# KiCad board rabbit_mask_capacitors.kicad_pcb (continued)
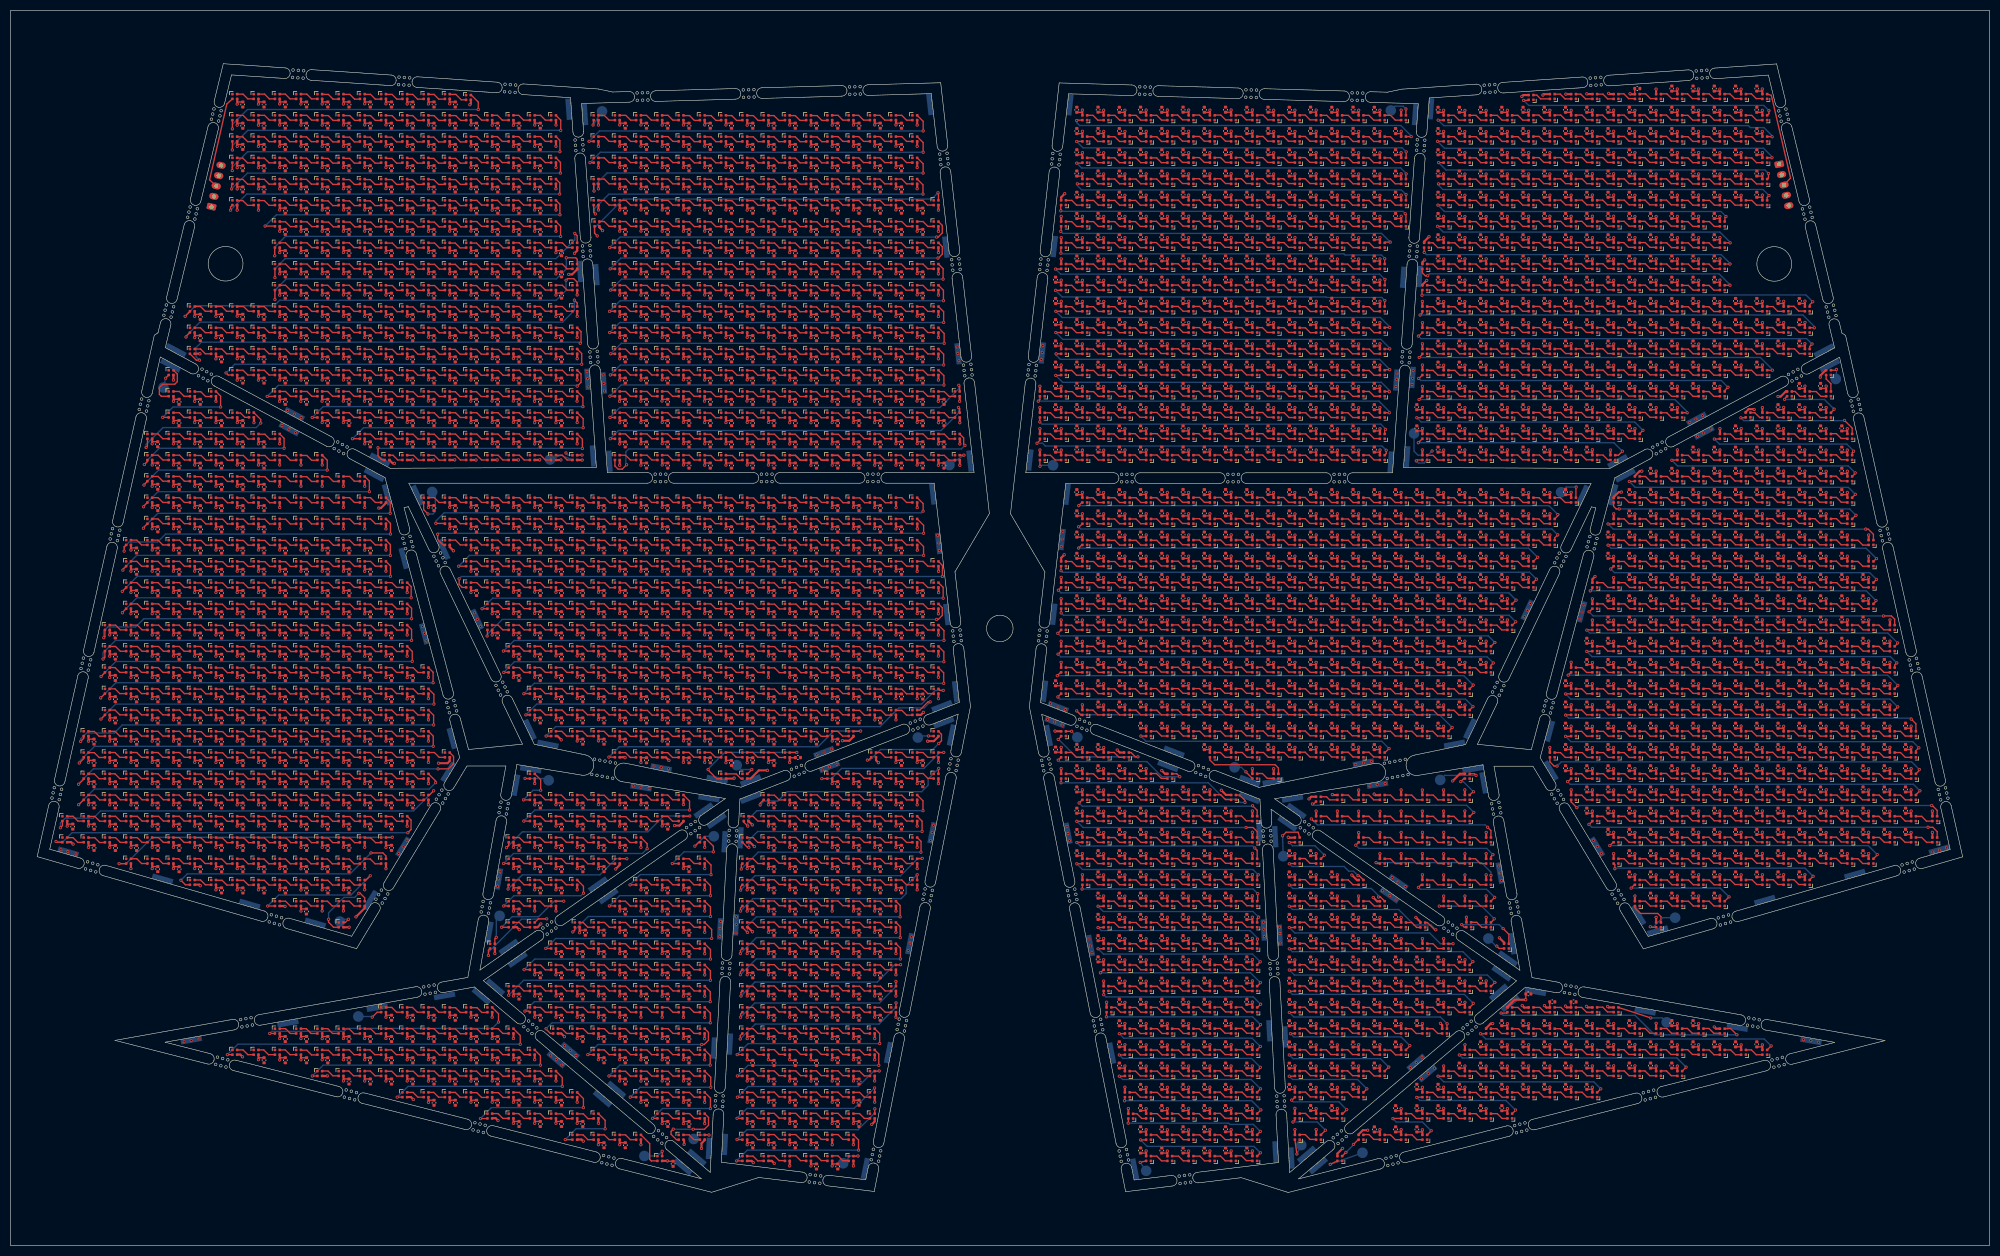
[diagram p0: board, top side]
## Placement (name value [footprint] x y rotation side) (continued)
C1485#2507  0.1uF  [C_0402_1005Metric]  39.7 170.86 270 top
C1485#2508  0.1uF  [C_0402_1005Metric]  240.7 173.88 90 top
C1485#2509  0.1uF  [C_0402_1005Metric]  264.7 157.86 90 top
C1485#2510  0.1uF  [C_0402_1005Metric]  59.7 38.86 270 top
C1485#2511  0.1uF  [C_0402_1005Metric]  272.7 197.86 90 top
C1485#2512  0.1uF  [C_0402_1005Metric]  135.7 166.86 270 top
C1485#2513  0.1uF  [C_0402_1005Metric]  163.7 150.84 270 top
C1485#2514  0.1uF  [C_0402_1005Metric]  87.7 162.86 270 top
C1485#2515  0.1uF  [C_0402_1005Metric]  276.7 129.86 90 top
C1485#2516  0.1uF  [C_0402_1005Metric]  220.7 193.88 90 top
C1485#2517  0.1uF  [C_0402_1005Metric]  212.7 117.86 90 top
C1485#2518  0.1uF  [C_0402_1005Metric]  91.7 134.86 270 top
C1485#2519  0.1uF  [C_0402_1005Metric]  248.7 45.84 90 top
C1485#2520  0.1uF  [C_0402_1005Metric]  304.7 101.86 90 top
C1485#2521  0.1uF  [C_0402_1005Metric]  300.7 85.86 90 top
C1485#2522  0.1uF  [C_0402_1005Metric]  63.7 90.86 270 top
C1485#2523  0.1uF  [C_0402_1005Metric]  147.7 30.86 270 top
C1485#2524  0.1uF  [C_0402_1005Metric]  131.7 138.86 270 top
C1485#2525  0.1uF  [C_0402_1005Metric]  204.7 133.86 90 top
C1485#2526  0.1uF  [C_0402_1005Metric]  328.7 201.86 90 top
C1485#2527  0.1uF  [C_0402_1005Metric]  204.7 53.86 90 top
C1485#2528  0.1uF  [C_0402_1005Metric]  248.7 153.88 90 top
C1485#2529  0.1uF  [C_0402_1005Metric]  260.7 209.86 90 top
C1485#2530  0.1uF  [C_0402_1005Metric]  143.7 26.86 270 top
C1485#2531  0.1uF  [C_0402_1005Metric]  212.7 37.86 90 top
C1485#2532  0.1uF  [C_0402_1005Metric]  127.7 118.86 270 top
C1485#2533  0.1uF  [C_0402_1005Metric]  35.72 142.84 270 top
C1485#2534  0.1uF  [C_0402_1005Metric]  67.72 118.84 270 top
C1485#2535  0.1uF  [C_0402_1005Metric]  39.7 90.86 270 top
C1485#2536  0.1uF  [C_0402_1005Metric]  224.7 125.86 90 top
C1485#2537  0.1uF  [C_0402_1005Metric]  232.7 61.86 90 top
C1485#2538  0.1uF  [C_0402_1005Metric]  232.7 193.86 90 top
C1485#2539  0.1uF  [C_0402_1005Metric]  332.7 157.86 90 top
C1485#2540  0.1uF  [C_0402_1005Metric]  260.7 97.86 90 top
C1485#2541  0.1uF  [C_0402_1005Metric]  127.7 162.86 270 top
C1485#2542  0.1uF  [C_0402_1005Metric]  212.71 73.86 90 top
C1485#2543  0.1uF  [C_0402_1005Metric]  308.7 173.86 90 top
C1485#2544  0.1uF  [C_0402_1005Metric]  43.72 78.84 270 top
C1485#2545  0.1uF  [C_0402_1005Metric]  276.7 29.86 90 top
C1485#2546  0.1uF  [C_0402_1005Metric]  216.7 97.86 90 top
C1485#2547  0.1uF  [C_0402_1005Metric]  208.7 161.88 90 top
C1485#2548  0.1uF  [C_0402_1005Metric]  43.72 74.84 270 top
C1485#2549  0.1uF  [C_0402_1005Metric]  159.7 186.86 270 top
C1485#2550  0.1uF  [C_0402_1005Metric]  252.7 97.86 90 top
C1485#2551  0.1uF  [C_0402_1005Metric]  356.7 89.86 90 top
C1485#2552  0.1uF  [C_0402_1005Metric]  99.7 110.86 270 top
C1485#2553  0.1uF  [C_0402_1005Metric]  91.7 26.86 270 top
C1485#2554  0.1uF  [C_0402_1005Metric]  228.7 81.86 90 top
C1485#2555  0.1uF  [C_0402_1005Metric]  159.7 202.86 270 top
C1485#2556  0.1uF  [C_0402_1005Metric]  103.72 74.84 270 top
C1485#2557  0.1uF  [C_0402_1005Metric]  280.7 161.86 90 top
C1485#2558  0.1uF  [C_0402_1005Metric]  39.7 150.86 270 top
C1485#2559  0.1uF  [C_0402_1005Metric]  236.7 97.86 90 top
C1485#2560  0.1uF  [C_0402_1005Metric]  95.7 106.86 270 top
C1485#2561  0.1uF  [C_0402_1005Metric]  332.7 77.86 90 top
C1485#2562  0.1uF  [C_0402_1005Metric]  163.7 206.86 270 top
C1485#2563  0.1uF  [C_0402_1005Metric]  304.7 173.86 90 top
C1485#2564  0.1uF  [C_0402_1005Metric]  232.7 137.86 90 top
C1485#2565  0.1uF  [C_0402_1005Metric]  155.7 114.86 270 top
C1485#2566  0.1uF  [C_0402_1005Metric]  276.7 149.86 90 top
C1485#2567  0.1uF  [C_0402_1005Metric]  119.7 130.86 270 top
C1485#2568  0.1uF  [C_0402_1005Metric]  224.7 185.86 90 top
C1485#2569  0.1uF  [C_0402_1005Metric]  240.7 205.86 90 top
C1485#2570  0.1uF  [C_0402_1005Metric]  328.7 97.86 90 top
C1485#2571  0.1uF  [C_0402_1005Metric]  252.7 93.84 90 top
C1485#2572  0.1uF  [C_0402_1005Metric]  35.72 122.84 270 top
C1485#2573  0.1uF  [C_0402_1005Metric]  155.7 174.86 270 top
C1485#2574  0.1uF  [C_0402_1005Metric]  87.7 198.86 270 top
C1485#2575  0.1uF  [C_0402_1005Metric]  63.7 154.86 270 top
C1485#2576  0.1uF  [C_0402_1005Metric]  35.7 78.86 270 top
C1485#2577  0.1uF  [C_0402_1005Metric]  151.7 178.86 270 top
C1485#2578  0.1uF  [C_0402_1005Metric]  332.7 177.86 90 top
C1485#2579  0.1uF  [C_0402_1005Metric]  87.7 166.86 270 top
C1485#2580  0.1uF  [C_0402_1005Metric]  304.7 197.86 90 top
C1485#2581  0.1uF  [C_0402_1005Metric]  248.7 69.86 90 top
C1485#2582  0.1uF  [C_0402_1005Metric]  51.7 210.86 270 top
C1485#2583  0.1uF  [C_0402_1005Metric]  212.7 177.86 90 top
C1485#2584  0.1uF  [C_0402_1005Metric]  155.7 22.86 270 top
C1485#2585  0.1uF  [C_0402_1005Metric]  67.7 190.86 270 top
C1485#2586  0.1uF  [C_0402_1005Metric]  216.71 101.86 90 top
C1485#2587  0.1uF  [C_0402_1005Metric]  256.7 141.86 90 top
C1485#2588  0.1uF  [C_0402_1005Metric]  236.7 113.86 90 top
C1485#2589  0.1uF  [C_0402_1005Metric]  312.7 77.86 90 top
C1485#2590  0.1uF  [C_0402_1005Metric]  244.7 53.84 90 top
C1485#2591  0.1uF  [C_0402_1005Metric]  280.7 129.86 90 top
C1485#2592  0.1uF  [C_0402_1005Metric]  115.7 178.86 270 top
C1485#2593  0.1uF  [C_0402_1005Metric]  115.7 110.86 270 top
C1485#2594  0.1uF  [C_0402_1005Metric]  284.7 33.86 90 top
C1485#2595  0.1uF  [C_0402_1005Metric]  47.72 66.84 270 top
C1485#2596  0.1uF  [C_0402_1005Metric]  332.7 105.86 90 top
C1485#2597  0.1uF  [C_0402_1005Metric]  123.7 62.86 270 top
C1485#2598  0.1uF  [C_0402_1005Metric]  240.7 129.86 90 top
C1485#2599  0.1uF  [C_0402_1005Metric]  220.7 133.86 90 top
C1485#2600  0.1uF  [C_0402_1005Metric]  248.7 129.86 90 top
C1485#2601  0.1uF  [C_0402_1005Metric]  272.7 113.86 90 top
C1485#2602  0.1uF  [C_0402_1005Metric]  268.7 109.86 90 top
C1485#2603  0.1uF  [C_0402_1005Metric]  200.7 185.86 90 top
C1485#2604  0.1uF  [C_0402_1005Metric]  284.7 209.86 90 top
C1485#2605  0.1uF  [C_0402_1005Metric]  288.7 177.86 90 top
C1485#2606  0.1uF  [C_0402_1005Metric]  228.7 49.86 90 top
C1485#2607  0.1uF  [C_0402_1005Metric]  71.7 202.86 270 top
C1485#2608  0.1uF  [C_0402_1005Metric]  103.7 182.86 270 top
C1485#2609  0.1uF  [C_0402_1005Metric]  204.7 141.88 90 top
C1485#2610  0.1uF  [C_0402_1005Metric]  308.7 157.86 90 top
C1485#2611  0.1uF  [C_0402_1005Metric]  79.7 214.86 270 top
C1485#2612  0.1uF  [C_0402_1005Metric]  15.7 82.86 270 top
C1485#2613  0.1uF  [C_0402_1005Metric]  348.7 109.86 90 top
C1485#2614  0.1uF  [C_0402_1005Metric]  107.7 122.86 270 top
C1485#2615  0.1uF  [C_0402_1005Metric]  292.7 93.86 90 top
C1485#2616  0.1uF  [C_0402_1005Metric]  232.7 213.86 90 top
C1485#2617  0.1uF  [C_0402_1005Metric]  344.7 101.86 90 top
C1485#2618  0.1uF  [C_0402_1005Metric]  131.7 178.86 270 top
C1485#2619  0.1uF  [C_0402_1005Metric]  75.7 214.86 270 top
C1485#2620  0.1uF  [C_0402_1005Metric]  288.7 33.86 90 top
C1485#2621  0.1uF  [C_0402_1005Metric]  19.72 94.84 270 top
C1485#2622  0.1uF  [C_0402_1005Metric]  91.7 150.86 270 top
C1485#2623  0.1uF  [C_0402_1005Metric]  43.72 134.84 270 top
C1485#2624  0.1uF  [C_0402_1005Metric]  123.7 114.86 270 top
C1485#2625  0.1uF  [C_0402_1005Metric]  328.7 141.86 90 top
C1485#2626  0.1uF  [C_0402_1005Metric]  139.7 178.86 270 top
D1  SK6812-1515  [LED_SK6812_EC15_1.5x1.5mm]  42.2 216.36 0 top
D2  SK6812-1515  [LED_SK6812_EC15_1.5x1.5mm]  46.2 216.36 0 top
D3  SK6812-1515  [LED_SK6812_EC15_1.5x1.5mm]  50.2 216.36 0 top
D4  SK6812-1515  [LED_SK6812_EC15_1.5x1.5mm]  54.2 216.36 0 top
D5  SK6812-1515  [LED_SK6812_EC15_1.5x1.5mm]  58.2 216.36 0 top
D6  SK6812-1515  [LED_SK6812_EC15_1.5x1.5mm]  62.2 216.36 0 top
D7  SK6812-1515  [LED_SK6812_EC15_1.5x1.5mm]  66.2 216.36 0 top
D8  SK6812-1515  [LED_SK6812_EC15_1.5x1.5mm]  70.2 216.36 0 top
D9  SK6812-1515  [LED_SK6812_EC15_1.5x1.5mm]  74.2 216.36 0 top
D10  SK6812-1515  [LED_SK6812_EC15_1.5x1.5mm]  78.2 216.36 0 top
D11  SK6812-1515  [LED_SK6812_EC15_1.5x1.5mm]  82.2 216.36 0 top
D12  SK6812-1515  [LED_SK6812_EC15_1.5x1.5mm]  86.17 216.19 0 top
D13  SK6812-1515  [LED_SK6812_EC15_1.5x1.5mm]  42.2 212.36 0 top
D14  SK6812-1515  [LED_SK6812_EC15_1.5x1.5mm]  46.2 212.36 0 top
D15  SK6812-1515  [LED_SK6812_EC15_1.5x1.5mm]  50.2 212.36 0 top
D16  SK6812-1515  [LED_SK6812_EC15_1.5x1.5mm]  54.2 212.36 0 top
D17  SK6812-1515  [LED_SK6812_EC15_1.5x1.5mm]  58.2 212.36 0 top
D18  SK6812-1515  [LED_SK6812_EC15_1.5x1.5mm]  62.2 212.36 0 top
D19  SK6812-1515  [LED_SK6812_EC15_1.5x1.5mm]  66.2 212.36 0 top
D20  SK6812-1515  [LED_SK6812_EC15_1.5x1.5mm]  70.2 212.36 0 top
D21  SK6812-1515  [LED_SK6812_EC15_1.5x1.5mm]  74.2 212.36 0 top
D22  SK6812-1515  [LED_SK6812_EC15_1.5x1.5mm]  78.2 212.36 0 top
D23  SK6812-1515  [LED_SK6812_EC15_1.5x1.5mm]  82.2 212.36 0 top
D24  SK6812-1515  [LED_SK6812_EC15_1.5x1.5mm]  86.2 212.36 0 top
D25  SK6812-1515  [LED_SK6812_EC15_1.5x1.5mm]  90.2 212.36 0 top
D26  SK6812-1515  [LED_SK6812_EC15_1.5x1.5mm]  94.2 212.36 0 top
D27  SK6812-1515  [LED_SK6812_EC15_1.5x1.5mm]  98.2 212.36 0 top
D28  SK6812-1515  [LED_SK6812_EC15_1.5x1.5mm]  102.2 212.36 0 top
D29  SK6812-1515  [LED_SK6812_EC15_1.5x1.5mm]  110.2 212.36 0 top
D30  SK6812-1515  [LED_SK6812_EC15_1.5x1.5mm]  114.2 212.36 0 top
D31  SK6812-1515  [LED_SK6812_EC15_1.5x1.5mm]  118.2 212.36 0 top
D32  SK6812-1515  [LED_SK6812_EC15_1.5x1.5mm]  122.2 212.36 0 top
D33  SK6812-1515  [LED_SK6812_EC15_1.5x1.5mm]  126.2 212.36 0 top
D34  SK6812-1515  [LED_SK6812_EC15_1.5x1.5mm]  130.2 212.36 0 top
D35  SK6812-1515  [LED_SK6812_EC15_1.5x1.5mm]  134.2 212.36 0 top
D36  SK6812-1515  [LED_SK6812_EC15_1.5x1.5mm]  138.2 212.36 0 top
D37  SK6812-1515  [LED_SK6812_EC15_1.5x1.5mm]  142.2 212.36 0 top
D38  SK6812-1515  [LED_SK6812_EC15_1.5x1.5mm]  146.2 212.36 0 top
D39  SK6812-1515  [LED_SK6812_EC15_1.5x1.5mm]  150.2 212.36 0 top
D40  SK6812-1515  [LED_SK6812_EC15_1.5x1.5mm]  154.2 212.36 0 top
D41  SK6812-1515  [LED_SK6812_EC15_1.5x1.5mm]  158.2 212.36 0 top
D42  SK6812-1515  [LED_SK6812_EC15_1.5x1.5mm]  162.2 212.36 0 top
D43  SK6812-1515  [LED_SK6812_EC15_1.5x1.5mm]  166.2 212.36 0 top
D44  SK6812-1515  [LED_SK6812_EC15_1.5x1.5mm]  170.2 212.36 0 top
D45  SK6812-1515  [LED_SK6812_EC15_1.5x1.5mm]  42.2 208.36 0 top
D46  SK6812-1515  [LED_SK6812_EC15_1.5x1.5mm]  46.2 208.36 0 top
D47  SK6812-1515  [LED_SK6812_EC15_1.5x1.5mm]  50.2 208.36 0 top
D48  SK6812-1515  [LED_SK6812_EC15_1.5x1.5mm]  54.2 208.36 0 top
D49  SK6812-1515  [LED_SK6812_EC15_1.5x1.5mm]  58.2 208.36 0 top
D50  SK6812-1515  [LED_SK6812_EC15_1.5x1.5mm]  62.2 208.36 0 top
D51  SK6812-1515  [LED_SK6812_EC15_1.5x1.5mm]  66.2 208.36 0 top
D52  SK6812-1515  [LED_SK6812_EC15_1.5x1.5mm]  70.2 208.36 0 top
D53  SK6812-1515  [LED_SK6812_EC15_1.5x1.5mm]  74.2 208.36 0 top
D54  SK6812-1515  [LED_SK6812_EC15_1.5x1.5mm]  78.2 208.36 0 top
D55  SK6812-1515  [LED_SK6812_EC15_1.5x1.5mm]  82.2 208.36 0 top
D56  SK6812-1515  [LED_SK6812_EC15_1.5x1.5mm]  86.2 208.36 0 top
D57  SK6812-1515  [LED_SK6812_EC15_1.5x1.5mm]  90.2 208.36 0 top
D58  SK6812-1515  [LED_SK6812_EC15_1.5x1.5mm]  94.2 208.36 0 top
D59  SK6812-1515  [LED_SK6812_EC15_1.5x1.5mm]  98.2 208.36 0 top
D60  SK6812-1515  [LED_SK6812_EC15_1.5x1.5mm]  102.2 208.36 0 top
D61  SK6812-1515  [LED_SK6812_EC15_1.5x1.5mm]  110.2 208.36 0 top
D62  SK6812-1515  [LED_SK6812_EC15_1.5x1.5mm]  114.2 208.36 0 top
D63  SK6812-1515  [LED_SK6812_EC15_1.5x1.5mm]  118.2 208.36 0 top
D64  SK6812-1515  [LED_SK6812_EC15_1.5x1.5mm]  122.2 208.36 0 top
D65  SK6812-1515  [LED_SK6812_EC15_1.5x1.5mm]  126.2 208.36 0 top
D66  SK6812-1515  [LED_SK6812_EC15_1.5x1.5mm]  130.2 208.36 0 top
D67  SK6812-1515  [LED_SK6812_EC15_1.5x1.5mm]  134.2 208.36 0 top
D68  SK6812-1515  [LED_SK6812_EC15_1.5x1.5mm]  138.2 208.36 0 top
D69  SK6812-1515  [LED_SK6812_EC15_1.5x1.5mm]  142.2 208.36 0 top
D70  SK6812-1515  [LED_SK6812_EC15_1.5x1.5mm]  146.2 208.36 0 top
D71  SK6812-1515  [LED_SK6812_EC15_1.5x1.5mm]  150.2 208.36 0 top
D72  SK6812-1515  [LED_SK6812_EC15_1.5x1.5mm]  154.2 208.36 0 top
D73  SK6812-1515  [LED_SK6812_EC15_1.5x1.5mm]  158.2 208.36 0 top
D74  SK6812-1515  [LED_SK6812_EC15_1.5x1.5mm]  162.2 208.36 0 top
D75  SK6812-1515  [LED_SK6812_EC15_1.5x1.5mm]  166.2 208.36 0 top
D76  SK6812-1515  [LED_SK6812_EC15_1.5x1.5mm]  170.2 208.36 0 top
D77  SK6812-1515  [LED_SK6812_EC15_1.5x1.5mm]  42.2 204.36 0 top
D78  SK6812-1515  [LED_SK6812_EC15_1.5x1.5mm]  46.2 204.36 0 top
D79  SK6812-1515  [LED_SK6812_EC15_1.5x1.5mm]  50.2 204.36 0 top
D80  SK6812-1515  [LED_SK6812_EC15_1.5x1.5mm]  54.2 204.36 0 top
D81  SK6812-1515  [LED_SK6812_EC15_1.5x1.5mm]  58.2 204.36 0 top
D82  SK6812-1515  [LED_SK6812_EC15_1.5x1.5mm]  62.2 204.36 0 top
D83  SK6812-1515  [LED_SK6812_EC15_1.5x1.5mm]  66.2 204.36 0 top
D84  SK6812-1515  [LED_SK6812_EC15_1.5x1.5mm]  70.2 204.36 0 top
D85  SK6812-1515  [LED_SK6812_EC15_1.5x1.5mm]  74.2 204.36 0 top
D86  SK6812-1515  [LED_SK6812_EC15_1.5x1.5mm]  78.2 204.36 0 top
D87  SK6812-1515  [LED_SK6812_EC15_1.5x1.5mm]  82.2 204.36 0 top
D88  SK6812-1515  [LED_SK6812_EC15_1.5x1.5mm]  86.2 204.36 0 top
D89  SK6812-1515  [LED_SK6812_EC15_1.5x1.5mm]  90.2 204.36 0 top
D90  SK6812-1515  [LED_SK6812_EC15_1.5x1.5mm]  94.2 204.36 0 top
D91  SK6812-1515  [LED_SK6812_EC15_1.5x1.5mm]  98.2 204.36 0 top
D92  SK6812-1515  [LED_SK6812_EC15_1.5x1.5mm]  102.2 204.36 0 top
D93  SK6812-1515  [LED_SK6812_EC15_1.5x1.5mm]  110.2 204.36 0 top
D94  SK6812-1515  [LED_SK6812_EC15_1.5x1.5mm]  114.2 204.36 0 top
D95  SK6812-1515  [LED_SK6812_EC15_1.5x1.5mm]  118.2 204.36 0 top
D96  SK6812-1515  [LED_SK6812_EC15_1.5x1.5mm]  122.2 204.36 0 top
D97  SK6812-1515  [LED_SK6812_EC15_1.5x1.5mm]  126.2 204.36 0 top
D98  SK6812-1515  [LED_SK6812_EC15_1.5x1.5mm]  130.2 204.36 0 top
D99  SK6812-1515  [LED_SK6812_EC15_1.5x1.5mm]  134.2 204.36 0 top
D100  SK6812-1515  [LED_SK6812_EC15_1.5x1.5mm]  138.2 204.36 0 top
D101  SK6812-1515  [LED_SK6812_EC15_1.5x1.5mm]  142.2 204.36 0 top
D102  SK6812-1515  [LED_SK6812_EC15_1.5x1.5mm]  146.2 204.36 0 top
D103  SK6812-1515  [LED_SK6812_EC15_1.5x1.5mm]  150.2 204.36 0 top
D104  SK6812-1515  [LED_SK6812_EC15_1.5x1.5mm]  154.2 204.36 0 top
D105  SK6812-1515  [LED_SK6812_EC15_1.5x1.5mm]  158.2 204.36 0 top
D106  SK6812-1515  [LED_SK6812_EC15_1.5x1.5mm]  162.2 204.36 0 top
D107  SK6812-1515  [LED_SK6812_EC15_1.5x1.5mm]  166.2 204.36 0 top
D108  SK6812-1515  [LED_SK6812_EC15_1.5x1.5mm]  170.2 204.36 0 top
D110  SK6812-1515  [LED_SK6812_EC15_1.5x1.5mm]  42.2 200.36 0 top
D111  SK6812-1515  [LED_SK6812_EC15_1.5x1.5mm]  46.2 200.36 0 top
D112  SK6812-1515  [LED_SK6812_EC15_1.5x1.5mm]  50.2 200.36 0 top
D113  SK6812-1515  [LED_SK6812_EC15_1.5x1.5mm]  54.2 200.36 0 top
D114  SK6812-1515  [LED_SK6812_EC15_1.5x1.5mm]  58.2 200.36 0 top
D115  SK6812-1515  [LED_SK6812_EC15_1.5x1.5mm]  62.2 200.36 0 top
D116  SK6812-1515  [LED_SK6812_EC15_1.5x1.5mm]  66.2 200.36 0 top
D117  SK6812-1515  [LED_SK6812_EC15_1.5x1.5mm]  70.2 200.36 0 top
D118  SK6812-1515  [LED_SK6812_EC15_1.5x1.5mm]  74.2 200.36 0 top
D119  SK6812-1515  [LED_SK6812_EC15_1.5x1.5mm]  78.2 200.36 0 top
D120  SK6812-1515  [LED_SK6812_EC15_1.5x1.5mm]  82.2 200.36 0 top
D121  SK6812-1515  [LED_SK6812_EC15_1.5x1.5mm]  86.2 200.36 0 top
D122  SK6812-1515  [LED_SK6812_EC15_1.5x1.5mm]  90.2 200.36 0 top
D123  SK6812-1515  [LED_SK6812_EC15_1.5x1.5mm]  94.2 200.36 0 top
D124  SK6812-1515  [LED_SK6812_EC15_1.5x1.5mm]  98.2 200.36 0 top
D125  SK6812-1515  [LED_SK6812_EC15_1.5x1.5mm]  102.2 200.36 0 top
D126  SK6812-1515  [LED_SK6812_EC15_1.5x1.5mm]  110.2 200.36 0 top
D127  SK6812-1515  [LED_SK6812_EC15_1.5x1.5mm]  114.2 200.36 0 top
D128  SK6812-1515  [LED_SK6812_EC15_1.5x1.5mm]  118.2 200.36 0 top
D129  SK6812-1515  [LED_SK6812_EC15_1.5x1.5mm]  122.2 200.36 0 top
D130  SK6812-1515  [LED_SK6812_EC15_1.5x1.5mm]  126.2 200.36 0 top
D131  SK6812-1515  [LED_SK6812_EC15_1.5x1.5mm]  130.2 200.36 0 top
D132  SK6812-1515  [LED_SK6812_EC15_1.5x1.5mm]  134.2 200.36 0 top
D133  SK6812-1515  [LED_SK6812_EC15_1.5x1.5mm]  138.2 200.36 0 top
D134  SK6812-1515  [LED_SK6812_EC15_1.5x1.5mm]  142.2 200.36 0 top
D135  SK6812-1515  [LED_SK6812_EC15_1.5x1.5mm]  146.2 200.36 0 top
D136  SK6812-1515  [LED_SK6812_EC15_1.5x1.5mm]  150.2 200.36 0 top
D137  SK6812-1515  [LED_SK6812_EC15_1.5x1.5mm]  154.2 200.36 0 top
D138  SK6812-1515  [LED_SK6812_EC15_1.5x1.5mm]  158.2 200.36 0 top
D139  SK6812-1515  [LED_SK6812_EC15_1.5x1.5mm]  162.2 200.36 0 top
D140  SK6812-1515  [LED_SK6812_EC15_1.5x1.5mm]  166.2 200.36 0 top
D141  SK6812-1515  [LED_SK6812_EC15_1.5x1.5mm]  170.2 200.36 0 top
D143  SK6812-1515  [LED_SK6812_EC15_1.5x1.5mm]  42.2 196.36 0 top
D144  SK6812-1515  [LED_SK6812_EC15_1.5x1.5mm]  46.2 196.36 0 top
D145  SK6812-1515  [LED_SK6812_EC15_1.5x1.5mm]  50.2 196.36 0 top
D146  SK6812-1515  [LED_SK6812_EC15_1.5x1.5mm]  54.2 196.36 0 top
D147  SK6812-1515  [LED_SK6812_EC15_1.5x1.5mm]  58.2 196.36 0 top
D148  SK6812-1515  [LED_SK6812_EC15_1.5x1.5mm]  62.2 196.36 0 top
D149  SK6812-1515  [LED_SK6812_EC15_1.5x1.5mm]  66.2 196.36 0 top
D150  SK6812-1515  [LED_SK6812_EC15_1.5x1.5mm]  70.2 196.36 0 top
D151  SK6812-1515  [LED_SK6812_EC15_1.5x1.5mm]  74.2 196.36 0 top
D152  SK6812-1515  [LED_SK6812_EC15_1.5x1.5mm]  78.2 196.36 0 top
D153  SK6812-1515  [LED_SK6812_EC15_1.5x1.5mm]  82.2 196.36 0 top
D154  SK6812-1515  [LED_SK6812_EC15_1.5x1.5mm]  86.2 196.36 0 top
D155  SK6812-1515  [LED_SK6812_EC15_1.5x1.5mm]  90.2 196.36 0 top
D156  SK6812-1515  [LED_SK6812_EC15_1.5x1.5mm]  94.2 196.36 0 top
D157  SK6812-1515  [LED_SK6812_EC15_1.5x1.5mm]  98.2 196.36 0 top
D158  SK6812-1515  [LED_SK6812_EC15_1.5x1.5mm]  102.2 196.36 0 top
D159  SK6812-1515  [LED_SK6812_EC15_1.5x1.5mm]  110.2 196.36 0 top
D160  SK6812-1515  [LED_SK6812_EC15_1.5x1.5mm]  114.2 196.36 0 top
D161  SK6812-1515  [LED_SK6812_EC15_1.5x1.5mm]  118.2 196.36 0 top
D162  SK6812-1515  [LED_SK6812_EC15_1.5x1.5mm]  122.2 196.36 0 top
D163  SK6812-1515  [LED_SK6812_EC15_1.5x1.5mm]  126.2 196.36 0 top
D164  SK6812-1515  [LED_SK6812_EC15_1.5x1.5mm]  130.2 196.36 0 top
D165  SK6812-1515  [LED_SK6812_EC15_1.5x1.5mm]  134.2 196.36 0 top
D166  SK6812-1515  [LED_SK6812_EC15_1.5x1.5mm]  138.2 196.36 0 top
D167  SK6812-1515  [LED_SK6812_EC15_1.5x1.5mm]  142.2 196.36 0 top
D168  SK6812-1515  [LED_SK6812_EC15_1.5x1.5mm]  146.2 196.36 0 top
D169  SK6812-1515  [LED_SK6812_EC15_1.5x1.5mm]  150.2 196.36 0 top
D170  SK6812-1515  [LED_SK6812_EC15_1.5x1.5mm]  154.2 196.36 0 top
D171  SK6812-1515  [LED_SK6812_EC15_1.5x1.5mm]  158.2 196.36 0 top
D172  SK6812-1515  [LED_SK6812_EC15_1.5x1.5mm]  162.2 196.36 0 top
D173  SK6812-1515  [LED_SK6812_EC15_1.5x1.5mm]  166.2 196.36 0 top
D174  SK6812-1515  [LED_SK6812_EC15_1.5x1.5mm]  170.2 196.36 0 top
D175  SK6812-1515  [LED_SK6812_EC15_1.5x1.5mm]  174.2 196.36 0 top
D179  SK6812-1515  [LED_SK6812_EC15_1.5x1.5mm]  50.2 192.36 0 top
D180  SK6812-1515  [LED_SK6812_EC15_1.5x1.5mm]  54.2 192.36 0 top
D181  SK6812-1515  [LED_SK6812_EC15_1.5x1.5mm]  58.2 192.36 0 top
D182  SK6812-1515  [LED_SK6812_EC15_1.5x1.5mm]  62.2 192.36 0 top
D183  SK6812-1515  [LED_SK6812_EC15_1.5x1.5mm]  66.2 192.36 0 top
D184  SK6812-1515  [LED_SK6812_EC15_1.5x1.5mm]  70.2 192.36 0 top
D185  SK6812-1515  [LED_SK6812_EC15_1.5x1.5mm]  74.2 192.36 0 top
D186  SK6812-1515  [LED_SK6812_EC15_1.5x1.5mm]  78.2 192.36 0 top
D187  SK6812-1515  [LED_SK6812_EC15_1.5x1.5mm]  82.2 192.36 0 top
D188  SK6812-1515  [LED_SK6812_EC15_1.5x1.5mm]  86.2 192.36 0 top
D189  SK6812-1515  [LED_SK6812_EC15_1.5x1.5mm]  90.2 192.36 0 top
D190  SK6812-1515  [LED_SK6812_EC15_1.5x1.5mm]  94.2 192.36 0 top
D191  SK6812-1515  [LED_SK6812_EC15_1.5x1.5mm]  98.2 192.36 0 top
D192  SK6812-1515  [LED_SK6812_EC15_1.5x1.5mm]  102.2 192.36 0 top
D193  SK6812-1515  [LED_SK6812_EC15_1.5x1.5mm]  110.38 192.36 0 top
D194  SK6812-1515  [LED_SK6812_EC15_1.5x1.5mm]  114.2 192.36 0 top
D195  SK6812-1515  [LED_SK6812_EC15_1.5x1.5mm]  118.2 192.36 0 top
D196  SK6812-1515  [LED_SK6812_EC15_1.5x1.5mm]  122.2 192.36 0 top
D197  SK6812-1515  [LED_SK6812_EC15_1.5x1.5mm]  126.2 192.36 0 top
D198  SK6812-1515  [LED_SK6812_EC15_1.5x1.5mm]  130.2 192.36 0 top
D199  SK6812-1515  [LED_SK6812_EC15_1.5x1.5mm]  134.2 192.36 0 top
D200  SK6812-1515  [LED_SK6812_EC15_1.5x1.5mm]  138.2 192.36 0 top
D201  SK6812-1515  [LED_SK6812_EC15_1.5x1.5mm]  142.2 192.36 0 top
D202  SK6812-1515  [LED_SK6812_EC15_1.5x1.5mm]  146.2 192.36 0 top
D203  SK6812-1515  [LED_SK6812_EC15_1.5x1.5mm]  150.2 192.36 0 top
D204  SK6812-1515  [LED_SK6812_EC15_1.5x1.5mm]  154.2 192.36 0 top
D205  SK6812-1515  [LED_SK6812_EC15_1.5x1.5mm]  158.2 192.36 0 top
D206  SK6812-1515  [LED_SK6812_EC15_1.5x1.5mm]  162.2 192.36 0 top
D207  SK6812-1515  [LED_SK6812_EC15_1.5x1.5mm]  166.2 192.36 0 top
D208  SK6812-1515  [LED_SK6812_EC15_1.5x1.5mm]  170.2 192.36 0 top
D209  SK6812-1515  [LED_SK6812_EC15_1.5x1.5mm]  174.2 192.36 0 top
D210  SK6812-1515  [LED_SK6812_EC15_1.5x1.5mm]  50.2 188.36 0 top
D211  SK6812-1515  [LED_SK6812_EC15_1.5x1.5mm]  54.2 188.36 0 top
D212  SK6812-1515  [LED_SK6812_EC15_1.5x1.5mm]  58.2 188.36 0 top
D213  SK6812-1515  [LED_SK6812_EC15_1.5x1.5mm]  62.2 188.36 0 top
D214  SK6812-1515  [LED_SK6812_EC15_1.5x1.5mm]  66.2 188.36 0 top
D215  SK6812-1515  [LED_SK6812_EC15_1.5x1.5mm]  70.2 188.36 0 top
D216  SK6812-1515  [LED_SK6812_EC15_1.5x1.5mm]  74.2 188.36 0 top
D217  SK6812-1515  [LED_SK6812_EC15_1.5x1.5mm]  78.2 188.36 0 top
D218  SK6812-1515  [LED_SK6812_EC15_1.5x1.5mm]  82.2 188.36 0 top
D219  SK6812-1515  [LED_SK6812_EC15_1.5x1.5mm]  86.2 188.36 0 top
D220  SK6812-1515  [LED_SK6812_EC15_1.5x1.5mm]  90.2 188.36 0 top
D221  SK6812-1515  [LED_SK6812_EC15_1.5x1.5mm]  94.2 188.36 0 top
D222  SK6812-1515  [LED_SK6812_EC15_1.5x1.5mm]  98.2 188.36 0 top
D223  SK6812-1515  [LED_SK6812_EC15_1.5x1.5mm]  102.2 188.36 0 top
D224  SK6812-1515  [LED_SK6812_EC15_1.5x1.5mm]  106.2 188.36 0 top
D225  SK6812-1515  [LED_SK6812_EC15_1.5x1.5mm]  114.2 188.36 0 top
D226  SK6812-1515  [LED_SK6812_EC15_1.5x1.5mm]  118.2 188.36 0 top
D227  SK6812-1515  [LED_SK6812_EC15_1.5x1.5mm]  122.2 188.36 0 top
D228  SK6812-1515  [LED_SK6812_EC15_1.5x1.5mm]  126.2 188.36 0 top
D229  SK6812-1515  [LED_SK6812_EC15_1.5x1.5mm]  130.2 188.36 0 top
D230  SK6812-1515  [LED_SK6812_EC15_1.5x1.5mm]  134.2 188.36 0 top
D231  SK6812-1515  [LED_SK6812_EC15_1.5x1.5mm]  138.2 188.36 0 top
D232  SK6812-1515  [LED_SK6812_EC15_1.5x1.5mm]  142.2 188.36 0 top
D233  SK6812-1515  [LED_SK6812_EC15_1.5x1.5mm]  146.2 188.36 0 top
D234  SK6812-1515  [LED_SK6812_EC15_1.5x1.5mm]  150.2 188.36 0 top
D235  SK6812-1515  [LED_SK6812_EC15_1.5x1.5mm]  154.2 188.36 0 top
D236  SK6812-1515  [LED_SK6812_EC15_1.5x1.5mm]  158.2 188.36 0 top
D237  SK6812-1515  [LED_SK6812_EC15_1.5x1.5mm]  162.2 188.36 0 top
D238  SK6812-1515  [LED_SK6812_EC15_1.5x1.5mm]  166.2 188.36 0 top
D239  SK6812-1515  [LED_SK6812_EC15_1.5x1.5mm]  170.2 188.36 0 top
D240  SK6812-1515  [LED_SK6812_EC15_1.5x1.5mm]  174.2 188.36 0 top
D241  SK6812-1515  [LED_SK6812_EC15_1.5x1.5mm]  50.2 184.36 0 top
D242  SK6812-1515  [LED_SK6812_EC15_1.5x1.5mm]  54.2 184.36 0 top
D243  SK6812-1515  [LED_SK6812_EC15_1.5x1.5mm]  58.2 184.36 0 top
D244  SK6812-1515  [LED_SK6812_EC15_1.5x1.5mm]  62.2 184.36 0 top
D245  SK6812-1515  [LED_SK6812_EC15_1.5x1.5mm]  66.2 184.36 0 top
D246  SK6812-1515  [LED_SK6812_EC15_1.5x1.5mm]  70.2 184.36 0 top
D247  SK6812-1515  [LED_SK6812_EC15_1.5x1.5mm]  74.2 184.36 0 top
D248  SK6812-1515  [LED_SK6812_EC15_1.5x1.5mm]  78.2 184.36 0 top
D249  SK6812-1515  [LED_SK6812_EC15_1.5x1.5mm]  82.2 184.36 0 top
D250  SK6812-1515  [LED_SK6812_EC15_1.5x1.5mm]  86.2 184.36 0 top
D251  SK6812-1515  [LED_SK6812_EC15_1.5x1.5mm]  90.2 184.36 0 top
D252  SK6812-1515  [LED_SK6812_EC15_1.5x1.5mm]  94.2 184.36 0 top
D253  SK6812-1515  [LED_SK6812_EC15_1.5x1.5mm]  98.2 184.36 0 top
D254  SK6812-1515  [LED_SK6812_EC15_1.5x1.5mm]  102.2 184.36 0 top
D255  SK6812-1515  [LED_SK6812_EC15_1.5x1.5mm]  106.2 184.36 0 top
D256  SK6812-1515  [LED_SK6812_EC15_1.5x1.5mm]  114.2 184.36 0 top
D257  SK6812-1515  [LED_SK6812_EC15_1.5x1.5mm]  118.2 184.36 0 top
D258  SK6812-1515  [LED_SK6812_EC15_1.5x1.5mm]  122.2 184.36 0 top
D259  SK6812-1515  [LED_SK6812_EC15_1.5x1.5mm]  126.2 184.36 0 top
D260  SK6812-1515  [LED_SK6812_EC15_1.5x1.5mm]  130.2 184.36 0 top
D261  SK6812-1515  [LED_SK6812_EC15_1.5x1.5mm]  134.2 184.36 0 top
D262  SK6812-1515  [LED_SK6812_EC15_1.5x1.5mm]  138.2 184.36 0 top
D263  SK6812-1515  [LED_SK6812_EC15_1.5x1.5mm]  142.2 184.36 0 top
D264  SK6812-1515  [LED_SK6812_EC15_1.5x1.5mm]  146.2 184.36 0 top
D265  SK6812-1515  [LED_SK6812_EC15_1.5x1.5mm]  150.2 184.36 0 top
D266  SK6812-1515  [LED_SK6812_EC15_1.5x1.5mm]  154.2 184.36 0 top
D267  SK6812-1515  [LED_SK6812_EC15_1.5x1.5mm]  158.2 184.36 0 top
D268  SK6812-1515  [LED_SK6812_EC15_1.5x1.5mm]  162.2 184.36 0 top
D269  SK6812-1515  [LED_SK6812_EC15_1.5x1.5mm]  166.2 184.36 0 top
D270  SK6812-1515  [LED_SK6812_EC15_1.5x1.5mm]  170.2 184.36 0 top
D271  SK6812-1515  [LED_SK6812_EC15_1.5x1.5mm]  174.2 184.36 0 top
D272  SK6812-1515  [LED_SK6812_EC15_1.5x1.5mm]  50.2 180.36 0 top
D273  SK6812-1515  [LED_SK6812_EC15_1.5x1.5mm]  54.2 180.36 0 top